# KiCad board frontpanel_dev_adapter.kicad_pcb (continued)
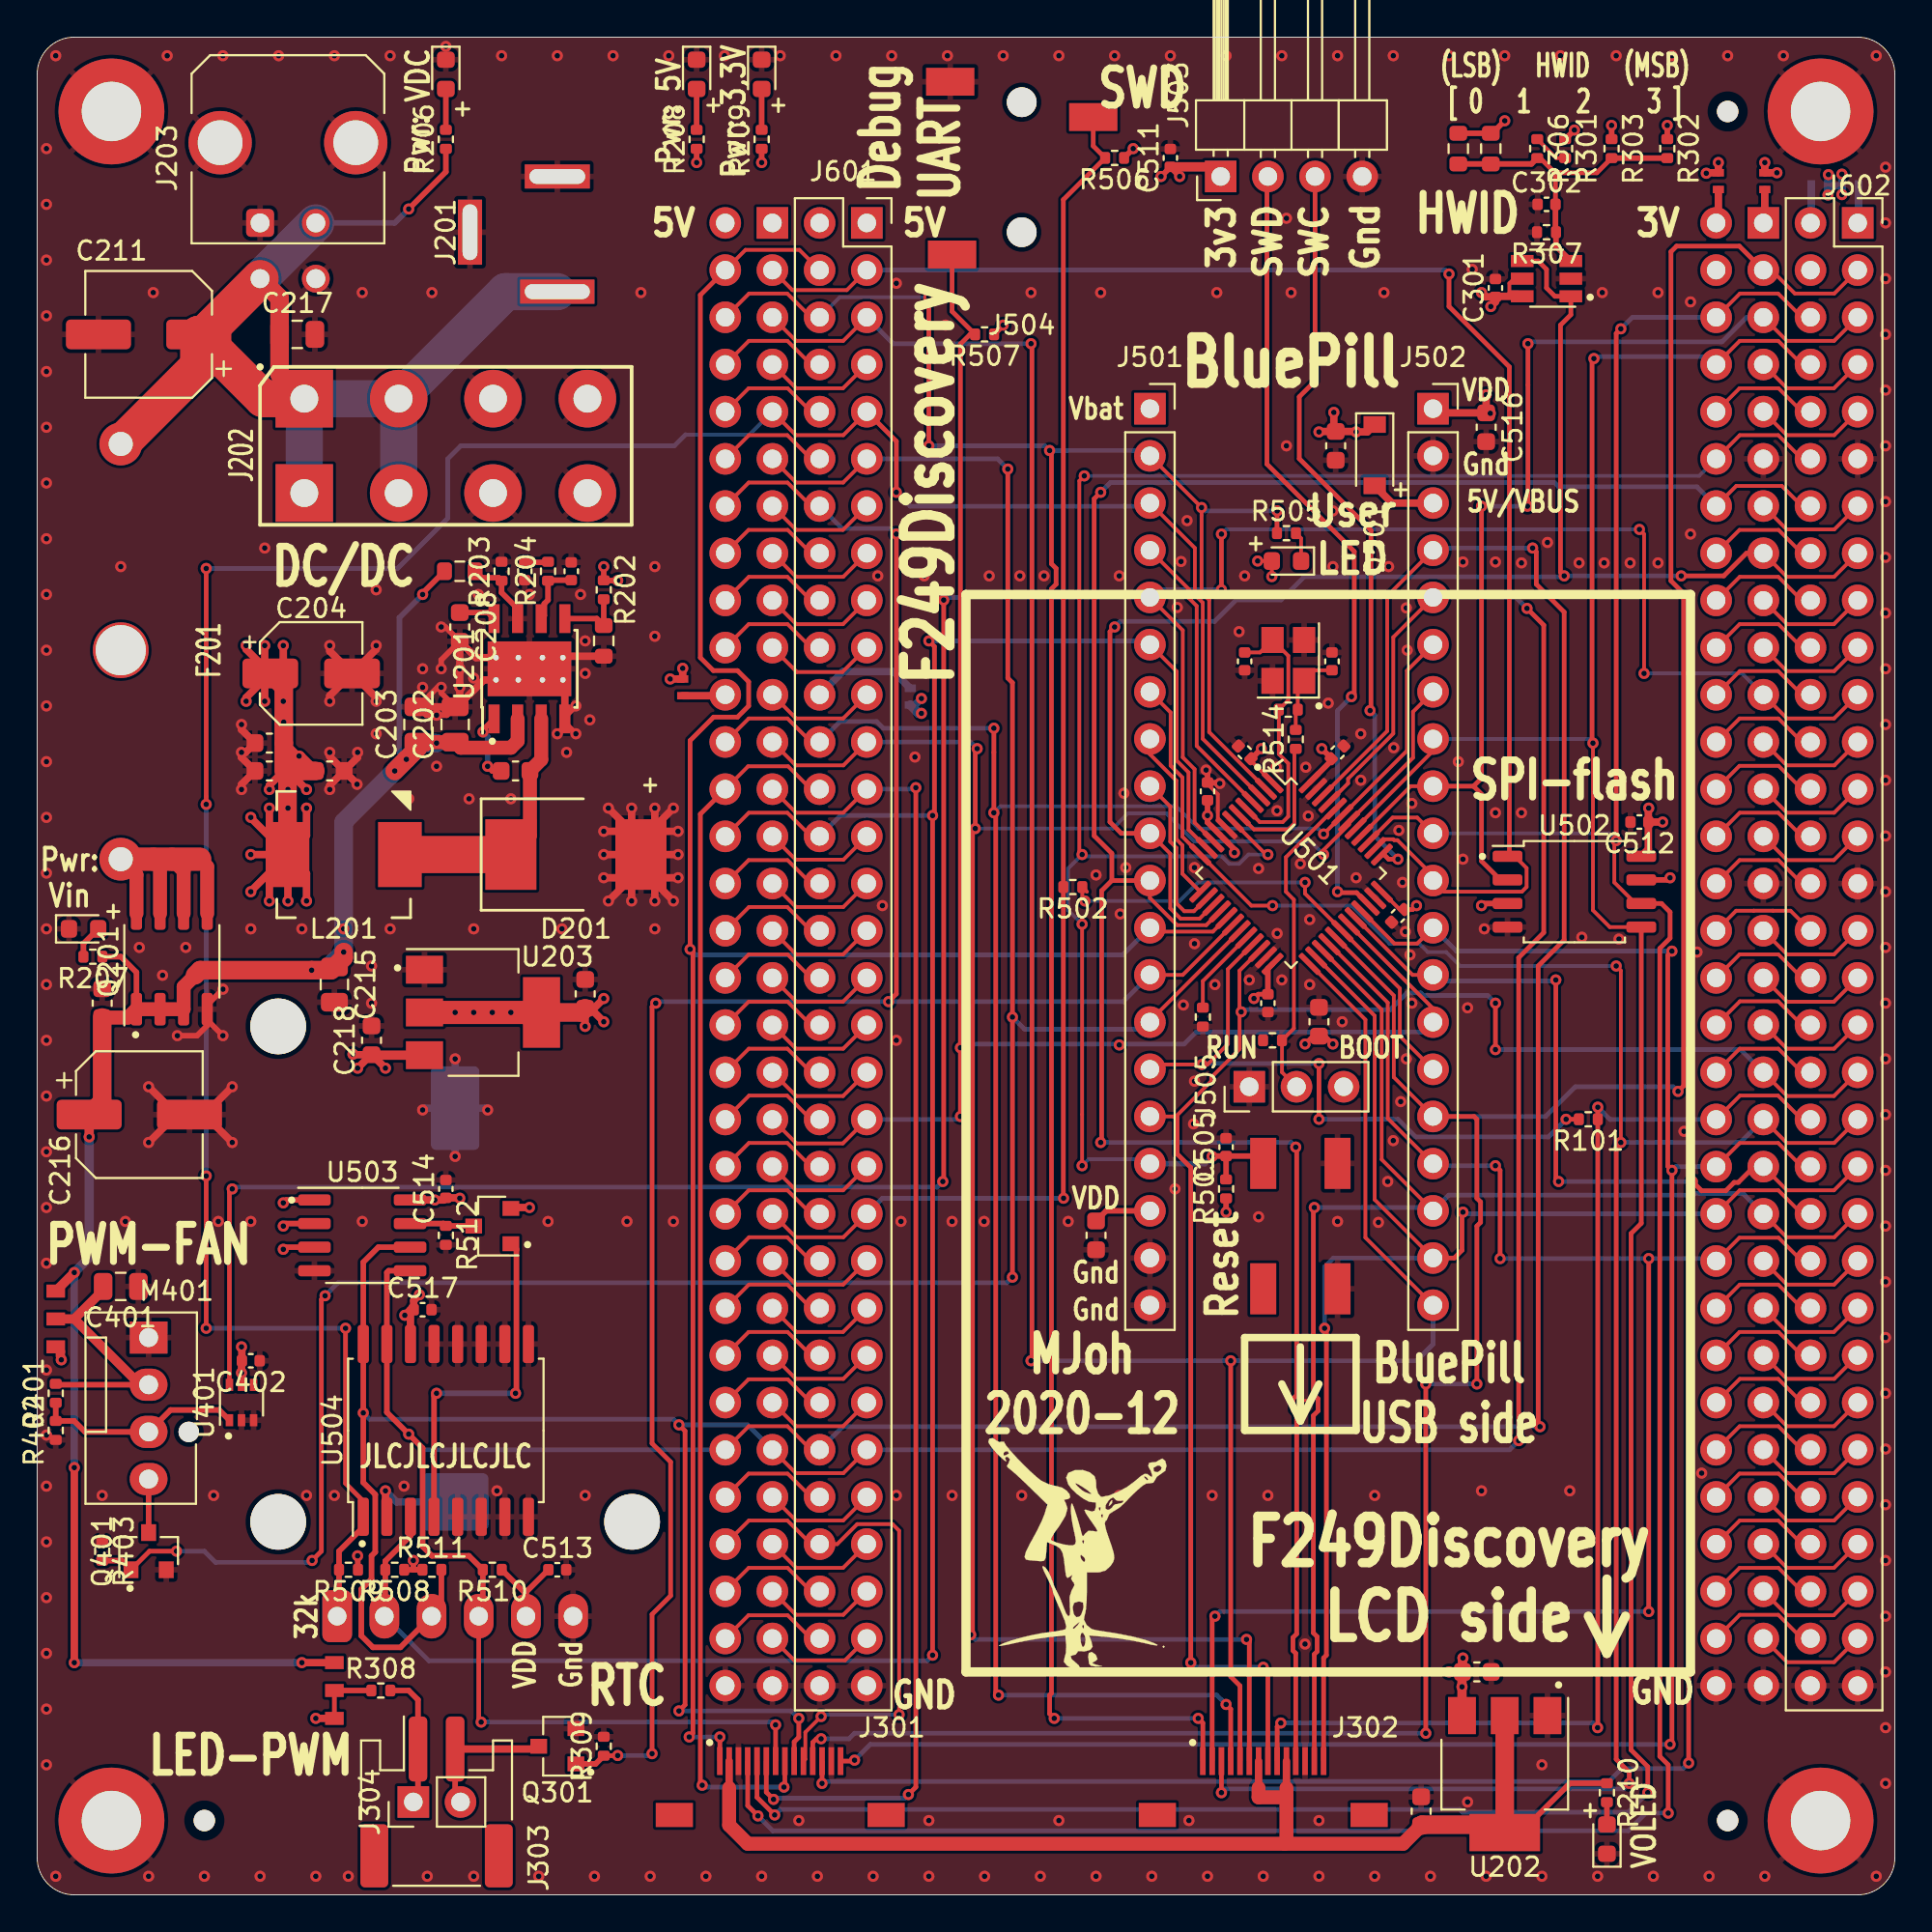
[diagram p0: board, top side]
## Nets
GND: BT501.2 C202.2 C203.2 C204.2 C205.2 C206.2 C207.2 C208.2 C209.2 C210.2 C211.2 C212.2 C213.2 C214.2 C215.2 C216.2 C217.2 C218.2 C219.2 C301.2 C302.1 C401.1 C402.1 C501.2 C502.2 C503.2 C504.2 C505.2 C506.2 C507.2 C508.2 C509.2 C510.2 C511.2 C512.2 C513.2 C514.2 C515.2 C516.2 C517.2 D201.2 D202.1 D203.1 D204.1 D205.1 D206.1 H101.1 H102.1 H103.1 H104.1 J201.2 J201.3 J202.3 J202.4 J203.1 J203.4 J203.MP J301.3 J301.13 J302.12 J501.19 J501.20 J502.2 J503.4 J504.1 J505.1 J601.63 J601.64 J602.11 J602.29 J602.63 J602.64 J603.63 J603.64 J604.11 J604.29 J604.63 J604.64 M401.1 Q201.4 Q301.2 Q401.2 R203.2 R205.2 R307.2 R309.2 R402.1 R403.1 R504.2 R512.2 R513.2 RTC501.6 SW501.3 SW501.4 U201.7 U201.9 U202.1 U203.1 U301.2 U401.2 U401.3 U501.8 U501.23 U501.35 U501.47 U502.4 U503.4 U504.5 U504.6 U504.7 U504.8 U504.9 U504.10 U504.11 U504.12 U504.13 Y501.2 Y501.4
VDD: C219.1 C301.1 C402.2 C501.1 C502.1 C503.1 C504.1 C507.1 C509.1 C511.1 C512.1 C513.1 C514.1 C515.1 C516.1 C517.1 D502.2 J501.1 J501.18 J502.1 J503.1 J505.3 JP601.1 JP602.2 JP603.2 JP604.1 JP605.2 JP606.2 Q501.2 R209.1 R301.1 R302.1 R303.1 R304.1 R305.1 R501.1 R506.1 R507.1 R508.1 R509.1 R510.1 R511.1 RTC501.5 U203.2 U301.5 U301.6 U401.5 U501.1 U501.9 U501.24 U501.36 U501.48 U502.3 U502.7 U502.8 U503.1 U503.2 U503.3 U503.8 U504.14
VDD_OLED: C213.1 J301.2 J302.7 J302.10 R210.1 U202.2
VIN: C202.1 C203.1 C214.1 C215.1 C216.1 JP301.3 JP401.3 Q201.1 Q201.2 Q201.3 R201.1 R207.1 U201.2
32k: J501.3 J601.9 J603.9 R509.2 RTC501.1 U501.3 U504.1
+BATT: BT501.1 U504.2
+VDC: C211.1 C217.1 F201.1 J201.1 J202.1 J202.2 J203.2 J203.3 R206.1
/F429Discovery connection/BOOT0: J601.21 J603.21
/F429Discovery connection/PA0: J602.18 J604.18
/F429Discovery connection/PA1: J602.17 J604.17
/F429Discovery connection/PA2: J602.20 J604.20
/F429Discovery connection/PA3: J602.19 J604.19
/F429Discovery connection/PA4: J602.22 J604.22
/F429Discovery connection/PA6: J602.24 J604.24
/F429Discovery connection/PA7: J602.23 J604.23
/F429Discovery connection/PA9: J601.52 J603.52
/F429Discovery connection/PA10: J601.51 J603.51
/F429Discovery connection/PA11: J601.50 J603.50
/F429Discovery connection/PA12: J601.49 J603.49
/F429Discovery connection/PA13: J601.48 J603.48
/F429Discovery connection/PA14: J601.47 J603.47
/F429Discovery connection/PA15: J601.46 J603.46
/F429Discovery connection/PB0: J602.28 J604.28
/F429Discovery connection/PB1: J602.27 J604.27
/F429Discovery connection/PB2: J602.30 J604.30
/F429Discovery connection/PB8: J601.19 J603.19
/F429Discovery connection/PB9: J601.20 J603.20
/F429Discovery connection/PB10: J602.48 J604.48
/F429Discovery connection/PB11: J602.47 J604.47
/F429Discovery connection/PB12: J602.50 J604.50
/F429Discovery connection/PB13: J602.49 J604.49
/F429Discovery connection/PB14: J602.52 J604.52
/F429Discovery connection/PB15: J602.51 J604.51
/F429Discovery connection/PC1: J602.13 J604.13
/F429Discovery connection/PC2: J602.16 J604.16
/F429Discovery connection/PC4: J602.26 J604.26
/F429Discovery connection/PC5: J602.25 J604.25
/F429Discovery connection/PC6: J601.57 J603.57
/F429Discovery connection/PC7: J601.56 J603.56
/F429Discovery connection/PC8: J601.55 J603.55
/F429Discovery connection/PC10: J601.45 J603.45
/F429Discovery connection/PC11: J601.44 J603.44
/F429Discovery connection/PC13: J601.12 J603.12
/F429Discovery connection/PC15: J601.10 J603.10
/F429Discovery connection/PD0: J601.42 J603.42
/F429Discovery connection/PD1: J601.41 J603.41
/F429Discovery connection/PD2: J601.40 J603.40
/F429Discovery connection/PD4: J601.38 J603.38
/F429Discovery connection/PD5: J601.37 J603.37
/F429Discovery connection/PD6: J601.36 J603.36
/F429Discovery connection/PD7: J601.35 J603.35
/F429Discovery connection/PD8: J602.54 J604.54
/F429Discovery connection/PD9: J602.53 J604.53
/F429Discovery connection/PD10: J602.56 J604.56
/F429Discovery connection/PD11: J602.55 J604.55
/F429Discovery connection/PD12: J602.58 J604.58
/F429Discovery connection/PD13: J602.57 J604.57
/F429Discovery connection/PD14: J602.60 J604.60
/F429Discovery connection/PD15: J602.59 J604.59
/F429Discovery connection/PE0: J601.17 J603.17
/F429Discovery connection/PE1: J601.18 J603.18
/F429Discovery connection/PE2: J601.15 J603.15
/F429Discovery connection/PE3: J601.16 J603.16
/F429Discovery connection/PE4: J601.13 J603.13
/F429Discovery connection/PE7: J302.8 J501.16 J602.37 J604.37 U501.22
/F429Discovery connection/PE8: J302.9 J602.40 J604.40 R101.1
/F429Discovery connection/PE15: J602.45 J604.45
/F429Discovery connection/PF0: J601.7 J603.7
/F429Discovery connection/PF1: J601.8 J603.8
/F429Discovery connection/PF10: J602.7 J604.7
/F429Discovery connection/PF11: J602.32 J604.32
/F429Discovery connection/PF12: J602.31 J604.31
/F429Discovery connection/PF13: J602.34 J604.34
/F429Discovery connection/PF14: J602.33 J604.33
/F429Discovery connection/PF15: J602.36 J604.36
/F429Discovery connection/PG0: J602.35 J604.35
/F429Discovery connection/PG1: J602.38 J604.38
/F429Discovery connection/PG2: J602.62 J604.62
/F429Discovery connection/PG3: J602.61 J604.61
/F429Discovery connection/PG4: J601.62 J603.62
/F429Discovery connection/PG5: J601.61 J603.61
/F429Discovery connection/PG6: J601.60 J603.60
/F429Discovery connection/PG7: J601.59 J603.59
/F429Discovery connection/PG9: J601.33 J603.33
/F429Discovery connection/PG10: J601.34 J603.34
/F429Discovery connection/PG11: J601.31 J603.31
/F429Discovery connection/PG12: J601.32 J603.32
/F429Discovery connection/PG13: J601.29 J603.29
/F429Discovery connection/PG14: J601.30 J603.30
/F429Discovery connection/PG15: J601.27 J603.27
/F429Discovery connection/PH0: J602.10 J604.10
/F429Discovery connection/PH1: J602.9 J604.9
/MCU / Bluepill/PA3: J501.8 U501.13
/MCU / Bluepill/PA4: J501.9 U501.14
/MCU / Bluepill/PA9: J502.15 R502.1 U501.30
/MCU / Bluepill/PB10: J501.15 R101.2 U501.21
/MCU / Bluepill/PC15: J501.4 U501.4
/MCU / Bluepill/PwrGood: Q501.1 U504.4
/MCU / Bluepill/SWCLK: J503.3 U501.37
/MCU / Bluepill/SWDIO: J503.2 U501.34
/MCU / Bluepill/~{WEn}: Q501.3 R512.1 U503.7
AUX_BOOT0: J302.1 J501.2 J601.6 J603.6 R505.1 U501.2
DBGUART_RX: J502.14 J504.2 J601.39 J603.39 R507.2 U501.31
DBGUART_TX: J504.3 J601.43 J603.43 R502.2 R506.2
DISP_D~{Cn}: J301.1 J501.12 J601.4 J603.4 U501.17
DISP_FLASH_MISO: J502.9 J602.5 J604.5 U501.40 U502.2
DISP_FLASH_MOSI: J301.5 J502.8 J602.8 J604.8 U501.41 U502.5
DISP_FLASH_SCK: J301.4 J502.10 J602.6 J604.6 U501.39 U502.6
FAN1_PWM: J501.14 J601.11 J603.11 Q401.1 R403.2 U501.19
FAN1_RPM: J501.5 J602.21 J604.21 U401.6 U501.10
FP_ENC2_A: J301.6 J601.25 J603.25
FP_ENC2_B: J301.8 J601.26 J603.26
FP_ENC_A: J302.6 J502.7 J601.23 J603.23 U501.42
FP_ENC_B: J302.4 J502.6 J601.24 J603.24 U501.43
HWID_FP: J302.11 J501.11 J602.14 J604.14 U501.16
HWID_MB: J501.10 J602.15 J604.15 U301.1 U301.4 U501.15
I2C1_SCL: J301.9 J502.5 J601.53 J603.53 R511.2 RTC501.3 U501.45 U503.6 U504.16
I2C1_SDA: J301.7 J502.4 J601.54 J603.54 R510.2 RTC501.4 U501.46 U503.5 U504.15
PWRBTN_LED_PWM: J501.13 J601.14 J603.14 Q301.1 R309.1 U501.18
VMAIN: C204.1 C205.1 C206.1 C207.1 C212.1 C218.1 C510.1 D501.1 J601.1 J601.2 J603.1 J603.2 JP301.1 JP301.2 JP401.1 L201.2 R202.1 R208.1 R308.1 U202.3 U203.3
~{AUX_INTn}: J302.3 J501.7 J602.39 J604.39 U501.12
~{DISP_CSn}: J301.11 J502.16 J602.3 J604.3 U501.29
~{FLASH_CSn}: J502.11 J601.3 J603.3 U501.38 U502.1
~{FP_BTN_1An}: J301.14 J502.12 J602.42 J604.42 U501.33
~{FP_BTN_1Bn}: J301.12 J502.13 J602.41 J604.41 U501.32
~{FP_BTN_2An}: J302.14 J502.19 J602.44 J604.44 U501.26
~{FP_BTN_2Bn}: J302.13 J502.18 J602.43 J604.43 U501.27
~{FP_ENC2_SWn}: J301.10 J601.58 J603.58
~{FP_ENC_SWn}: J302.2 J502.17 J602.46 J604.46 U501.28
~{RSTn}: C505.1 J501.17 J602.12 J604.12 R501.2 SW501.2 U501.7
~{RTC_INTn}_SQW: J501.6 J601.28 J603.28 R508.2 RTC501.2 U501.11 U504.3
~{SYS_RSTn}: J302.5 J502.20 J601.5 J603.5 U501.25
Net-(C201-Pad1): C201.1 D201.1 L201.1 U201.8
Net-(C201-Pad2): C201.2 U201.1
Net-(C208-Pad1): C208.1 U201.4
Net-(C209-Pad1): C209.1 R204.1 U201.6
Net-(C210-Pad1): C210.1 R204.2
Net-(C302-Pad2): C302.2 R302.2 R303.2 R304.2 R305.2 R306.2 R307.1 U301.3
Net-(C401-Pad2): C401.2 JP401.2 M401.2 R401.2
Net-(C506-Pad1): C506.1 R503.1 U501.5 Y501.3
Net-(C508-Pad1): C508.1 R503.2 R514.2 Y501.1
Net-(D202-Pad2): D202.2 R206.2
Net-(D203-Pad2): D203.2 R207.2
Net-(D204-Pad2): D204.2 R208.2
Net-(D205-Pad2): D205.2 R209.2
Net-(D206-Pad2): D206.2 R210.2
Net-(D501-Pad2): D501.2 J502.3
Net-(D502-Pad1): D502.1 R505.2
Net-(F201-Pad2): F201.2 Q201.5 Q201.6 Q201.7 Q201.8
Net-(J303-Pad1): J303.1 J304.1 R308.2
Net-(J303-Pad2): J303.2 J304.2 Q301.3
Net-(J505-Pad2): J505.2 R513.1 U501.44
Net-(J601-Pad22): J601.22 JP603.1
Net-(J602-Pad1): J602.1 JP601.2
Net-(J602-Pad2): J602.2 JP602.1
Net-(J603-Pad22): J603.22 JP606.1
Net-(J604-Pad1): J604.1 JP604.2
Net-(J604-Pad2): J604.2 JP605.1
Net-(M401-Pad3): M401.3 R401.1 R402.2 U401.1
Net-(M401-Pad4): M401.4 Q401.3
Net-(R201-Pad2): R201.2 R203.1 U201.3
Net-(R202-Pad2): R202.2 R205.1 U201.5
Net-(R301-Pad2): R301.2 R306.1
Net-(R504-Pad1): R504.1 U501.20
Net-(R514-Pad1): R514.1 U501.6

Pads without a net: J301 15 16; J302 15 16; J303 MP; J602 4; J604 4; SW501 1; U401 4

## Via types
v1: diameter 0.6, hole 0.3, Top to Bottom, 586 vias

## Routing (per net, layer and track width the routed paths; a pad name or vN(x,y) marks a point on that pad's centre or on a via; arc(x,y) is an arc through that point)
GND: length 110.4
  Top w0.2: C502.2 63,59.8 63.56,59.24 63.56,57.88 U501.8
  Top w0.3: v1(10,46.25) 9.16,47.09 Q201.4 ; v1(10,48.75) 9.16,47.91 Q201.4 ; 63.02,59.86 63.66,59.86 ; 28.41,63.3 28.41,63.09 v1(29,62.5) ; 28.41,63.3 28.41,62.91 v1(28,62.5) ; 28.41,63.3 28.41,63.41 v1(29,64) ; Q201.4 9.16,46.8 8.6,46.25 v1(7.55,46.25) ; v1(21.75,66) 21.75,66.47 C208.2 21.97,68.25 v1(21.75,68.25) ; 62.85,60.5 63,60.35 C502.2 ; v1(21.5,63.5) 20.95,63.5 C203.2 21.55,65 v1(21.75,65) 21.75,64.7 C202.2 22.05,63.5 v1(21.5,63.5)
  Top w0.4: U201.9 28.38,66.67 R205.2 ; 7.5,42 C216.2 9,42 ; 7.5,42 v1(6,40.5) ; 7.5,42 v1(6,43.5) ; 28.41,63.3 28.41,65.3 U201.9 ; v1(11,59.5) 11,59.78 C207.2 11,61.22 v1(11,61.5) 11.23,61.5 C206.2 11,62.72 v1(11,63) ; v1(18.25,67.25) 18.25,67.05 C204.2 ; C208.2 23.62,66.6 U201.9 ; C208.2 22.72,67.5 ; C208.2 22.75,64.2 C202.2 ; 9,42 v1(10.5,43.5) ; 9,42 v1(10.5,40.5) ; D201.2 31.25,57.25 v1(30.5,57.25) ; D201.2 v1(30.5,56) ; D201.2 33.25,55.25 v1(33.25,53.5) ; D201.2 v1(34.5,56) ; D201.2 32.5,56.75 ; D201.2 33.75,54.75 v1(34.5,54.75) ; D201.2 33.25,56.75 v1(33.25,58.5) ; D201.2 32.5,55.25 ; D201.2 33.75,57.25 v1(34.5,57.25) ; D201.2 32,55.5 v1(32,53.5) ; D201.2 32,56.5 v1(32,58.5) ; D201.2 31.25,54.75 v1(30.5,54.75) ; 32.5,55.25 v1(34.25,53.5) ; 32.5,55.25 v1(30.75,53.5) ; 32.5,56.75 v1(34.25,58.5) ; 32.5,56.75 v1(30.75,58.5) ; v1(17.25,61.5) 17.25,61.22 C205.2 ; v1(15.75,64.25) 15.75,64.55 C204.2 ; C205.2 17.22,59.81 v1(17.22,59.78) ; C205.2 15.75,61.28 v1(15.75,61.5) ; C205.2 15.75,59.72 v1(15.75,59.5) ; C204.2 15.75,66.95 v1(15.75,67.25) ; C204.2 18.25,64.45 v1(18.25,64.25) ; C202.2 22.6,63.95 24.05,65.4 U201.9 ; C202.2 C203.2 20.78,64.22
  Bottom w0.4: BT501.2 24.15,42.35 v1(24.25,42.25) ; BT501.2 20.85,42.35 v1(20.75,42.25) ; BT501.2 v1(22.5,45) ; BT501.2 v1(22.5,39.75)
  vias: v1(0.5,94) v1(0.5,91) v1(0.5,88) v1(0.5,85) v1(0.5,82) v1(0.5,79) v1(0.5,76) v1(0.5,73) v1(0.5,70) v1(0.5,67) v1(0.5,64) v1(0.5,61) v1(0.5,58) v1(0.5,55) v1(0.5,52) v1(0.5,49) v1(0.5,46) v1(0.5,43) v1(0.5,40) v1(0.5,37) v1(0.5,34) v1(0.5,28.25) v1(0.5,24.75) v1(0.5,22) v1(0.5,19) v1(0.5,16) v1(0.5,13) v1(0.5,10) v1(0.5,7) v1(1,99) v1(1,1) v1(3.5,21.5) v1(4.5,71.5) v1(4.75,36.25) v1(5.5,51) v1(6,1) v1(6.25,86.25) v1(6.75,49.5) v1(7,99) v1(8,51) v1(9,1) v1(9.5,21.5) v1(9.75,36.25) v1(10,99) v1(11.5,52) v1(11.5,36.25) v1(12,1) v1(12.25,72.5) v1(13,99) v1(14.25,52) v1(14.5,21.5) v1(15,1) v1(16,99) v1(16,21.5) v1(16.75,1) v1(17.5,86.25) v1(17.5,36.25) v1(18,50) v1(18,48) v1(18.25,70.25) v1(18.25,62.5) v1(19,99) v1(19,52) v1(19.75,22) v1(20,59) v1(20.75,66) v1(20.75,65) v1(21,1) v1(21.25,86.25) v1(21.5,60.75) v1(22,99.5) v1(22.75,66) v1(22.75,65) v1(23.25,59) v1(23.5,65.5) v1(23.5,52) v1(23.5,1) v1(23.75,70) v1(24.75,21.75) v1(25,99) v1(25.5,59) v1(26.5,70) v1(27,1) v1(27.5,36.25) v1(28,99) v1(28.25,52) v1(28.5,61.5) v1(29.25,70) v1(29.5,67.5) v1(29.5,65.75) v1(29.5,21.5) v1(29.75,63.25) v1(30,1) v1(31,99) v1(31.75,36.25) v1(32.5,86.25) v1(33,1) v1(33.25,71.5) v1(33.25,67.75) v1(33.25,52) v1(34,99) v1(34.25,36.25) v1(36,1) v1(37,99) v1(39,1) v1(40,99) v1(41,4) v1(42,1) v1(43,99) v1(45,1) v1(45.25,71) v1(45.5,53.25) v1(46,99) v1(46.25,86.75) v1(46.25,46) v1(46.25,21.5) v1(46.5,36.25) v1(47.25,61.25) v1(47.75,71) v1(48,4) v1(48,1) v1(48.9,84.5) v1(49,99) v1(49.25,36.25) v1(49.25,21.5) v1(50.97,36.25) v1(51,1) v1(51.25,71) v1(52,99) v1(52.9,71) v1(53,21.5) v1(53.5,86.25) v1(54,1) v1(54.2,71) v1(55,99) v1(55,4) v1(55.5,36.25) v1(57,54.9) v1(57,1) v1(57.25,86.25) v1(58,99) v1(58.25,71) v1(58.25,21.5) v1(58.3,52.8) v1(58.5,59.3) v1(58.6,55.3) v1(60,1) v1(61,99) v1(61.25,38) v1(61.38,69.3) v1(61.58,71.78) v1(61.7,47.9) v1(61.9,73.97) v1(62,4) v1(62.25,41.5) v1(62.3,55.3) v1(62.3,51.2) v1(62.3,43.8) v1(62.92,60.55) v1(63,1) v1(63.25,21.5) v1(63.4,49) v1(63.5,86.25) v1(63.66,59.83) v1(64,99) v1(64.7,68) v1(65,71) v1(65.25,49.25) v1(65.75,55.25) v1(65.75,36.5) v1(66,1) v1(66.25,21.5) v1(66.7,60.7) v1(66.74,58.36) v1(66.75,51.75) v1(67,99) v1(67,49.25) v1(67.25,90.25) v1(67.25,78) v1(67.5,86.25) v1(68,55.5) v1(68.25,13.5) v1(68.29,60.7) v1(68.3,26.4) v1(68.42,58.08) v1(68.5,52.5) v1(68.5,49) v1(69,4) v1(69,1) v1(69.5,64.15) v1(69.75,74.5) v1(69.75,71.5) v1(70,99) v1(70,36.25) v1(70.25,47) v1(71,54.75) v1(71.25,62.5) v1(71.25,60) v1(72,21.5) v1(72,1) v1(72.2,36.2) v1(72.5,86.25) v1(72.7,38.4) v1(72.75,71.5) v1(73,99) v1(73.03,61.75) v1(73,40.6) v1(73.3,57.3) v1(73.4,42.7) v1(73.5,54.5) v1(73.7,69.28) v1(73.65,51.85) v1(73.7,45) v1(73.75,67) v1(73.9,50.6) v1(74,58.75) v1(74,48) v1(75,1) v1(76,99) v1(76.5,61) v1(76.75,71.75) v1(76.75,55.75) v1(77,47.75) v1(77,5) v1(77.25,87.5) v1(77.75,21.75) v1(77.9,52) v1(78,1) v1(78.5,71.75) v1(78.5,58.25) v1(79,99) v1(79.9,71.7) v1(79.9,58.25) v1(81,7) v1(81,1) v1(81.3,72.8) v1(82,99) v1(82.5,21.75) v1(83,71.7) v1(83.15,51.55) v1(84,1) v1(84.25,86.25) v1(84.35,71.7) v1(85,99) v1(85.15,51.45) v1(85.75,71.7) v1(87,1) v1(87.25,86.25) v1(87.25,71.7) v1(88,99) v1(88.65,41.1) v1(89,85.75) v1(89,73.25) v1(89.35,50.75) v1(89.6,22.7) v1(90,1) v1(91,99) v1(93,1) v1(94,99) v1(99,99) v1(99,1) v1(99.5,93) v1(99.5,90) v1(99.5,87) v1(99.5,84) v1(99.5,81) v1(99.5,78) v1(99.5,75) v1(99.5,72) v1(99.5,69) v1(99.5,66) v1(99.5,63) v1(99.5,60) v1(99.5,57) v1(99.5,54) v1(99.5,51) v1(99.5,48) v1(99.5,45) v1(99.5,42) v1(99.5,39) v1(99.5,36) v1(99.5,33) v1(99.5,30) v1(99.5,27) v1(99.5,24) v1(99.5,21) v1(99.5,18) v1(99.5,15) v1(99.5,12) v1(99.5,9) v1(99.5,6)
VDD: length 91.6
  Top w0.2: U501.1 65.34,61.05 C501.1 ; v1(66.46,70.96) D502.2 v1(65.7,71.8) ; U301.5 79.5,87 79.25,86.75 79.25,86.25 79.74,86.25 U301.6 ; 73.59,53.09 73.3,53.09 U501.36
  Top w0.25: v1(69.75,45.8) 69.33,46.22 C507.1 68.67,46.22 v1(68.25,45.8) ; v1(65.5,48.25) 65.73,48.48 C503.1 ; v1(74.25,53.25) 74.04,53.04 C504.1
  Top w0.3: 61,93 v1(61.5,92.5) ; 61,93 C511.1 ; 61,93 v1(60.5,92.5) ; v1(13.25,36) 13.38,36.14 U503.2 ; v1(13.25,34.75) 13.37,34.86 U503.3 ; v1(13.25,37.25) 13.41,37.41 U503.1 ; v1(17.25,18.25) 17.27,17.52 R509.1 ; v1(52,84.5) 51.51,84.01 R507.1 ; v1(84.75,95.25) 84.76,94.51 R303.1 ; U501.24 66.25,49.86 C503.1 ; C513.1 26.31,16.29 RTC501.5 26.31,16.2 R510.1 ; v1(79,95.5) 78.32,94.83 R304.1 R305.1 ; 63,58 v1(63,58.1) ; 63,58 C502.1 ; 63,58 63,57.73 U501.9 64.45,56.28 v1(64.45,56.1) ; v1(87.9,54.75) 87.78,54.64 U502.7 ; R501.1 v1(64,36.75) ; v1(69.15,61.7) 69.66,61.19 C515.1 69.66,61.05 U501.48 ; v1(77.75,53.25) 77.86,53.36 U502.3 ; R506.1 58.51,93.51 v1(59,94) ; C501.1 65.36,61.16 v1(65.9,61.7) ; R209.1 v1(39,93.25) ; v1(82.75,95) 82.26,94.51 R301.1 ; R508.1 R511.1 20.25,17.5 v1(20.25,18) ; C509.1 57.55,36.82 J501.18 ; R302.1 v1(87.75,95.25)
  Top w0.4: U301.6 78.53,86.05 C301.1 ; v1(90.5,93.25) JP605.2 89.88,92.7 v1(89.85,92.67) ; v1(93.65,92.7) JP604.1 v1(93,93.25) ; v1(22.75,37.5) 22.73,37.52 C514.1 21.89,37.41 v1(21.41,37.41) U503.8 ; C517.1 20.09,31.5 v1(19.79,31.2) ; C517.1 20.09,31.33 U504.14 ; C517.1 20.27,31.99 v1(20.58,32.3) ; C301.1 77.98,86.02 v1(77.75,86.25) ; C301.1 78.5,85.75 v1(78.25,85.5) ; v1(34.08,65.45) JP606.2 v1(34.75,66.03) ; v1(30.5,47) 29.78,47.72 C219.1 ; U502.8 86.73,56.28 C512.1 ; C219.1 29.97,47.72 v1(30.5,48.25) ; C219.1 v1(29.5,46.75) ; v1(86.75,58.5) 86.73,58.48 C512.1 ; v1(11,29.5) 11.02,29.48 C402.2 11,28.73 v1(11,28.1) U401.5 ; J502.1 75.36,79.78 C516.1 ; C516.1 v1(78,80.75) ; C516.1 78.2,79.78 v1(78.22,79.75) ; v1(26.5,37) 25.5,37 Q501.2 ; C512.1 v1(87.5,57.75)
  Top w0.5: J503.1 63.19,93.02 C511.1
  Top w1: U203.2 29.28,47.5 C219.1
  Top w1.25: U203.2 U203.2
  Bottom w0.4: JP603.2 47.25,64.05 v1(47.6,64.4) ; JP601.1 JP602.2 ; JP601.1 v1(97.15,92.62) ; JP601.1 v1(97.15,91.53) ; JP602.2 96.4,92.58 v1(96.43,92.6) ; JP602.2 v1(96.4,91.5)
  Bottom w0.5: v1(47.6,63.6) 47.45,63.6 JP603.2
  vias: v1(22.5,47.5) v1(23.5,47.5) v1(24.5,47.5) v1(25.5,47.5)
VDD_OLED: length 67.1
  Top w0.3: U202.2 79.85,3.35 82.51,6.01 R210.1
  Top w0.4: J302.10 67.25,5.75 ; J301.2 37.25,5.75 ; J302.7 65.75,5.75
  Top w0.75: 67.15,2.75 73.53,2.75 C213.1 ; 67.15,2.75 67.25,2.85 67.25,5.25 ; 67.15,2.75 38.25,2.75 37.25,3.75 37.25,5.75 ; 65.75,5.75 65.75,5.25 67.25,5.25 ; 67.25,5.25 67.25,5.75
  Top w1: U202.2 U202.2 78.57,3.78 74.55,3.78 C213.1
VIN: length 106
  Top w0.3: Q201.1 5.34,49.66 4.51,50.5 R207.1 ; v1(20.75,70) 20.75,70.08 R201.1
  Top w0.4: JP301.3 v1(14.25,12.5) ; v1(2,12.5) v1(2,23)
  Top w0.5: C216.1 v1(2.8,40.8) ; JP401.3 v1(2,33.5)
  Top w0.75: U201.2 25.86,62.11 25.5,61.75 22.8,61.75 C202.1 C203.1 ; 8.5,49.5 7.88,48.89 Q201.3 Q201.2 Q201.1 4.9,47.22 C214.1
  Top w1: 20.5,61.75 v1(19.88,61.12) v1(19.25,60.5) ; C214.1 3.5,42.7 C216.1 ; 8.5,49.5 8.77,49.78 v1(14.78,49.78) 15.83,49.78 C215.1 16.5,50.45 v1(16.5,50.75)
  Bottom w0.3: v1(19.88,61.12) 19.5,61.5 19.5,68.75 v1(20.75,70)
  Bottom w0.4: v1(2,12.5) v1(14.25,12.5) ; v1(2,33.5) v1(2,23)
  Bottom w0.5: v1(2,33.5) 2.8,34.3 v1(2.8,40.8)
  Bottom w1: v1(21.5,62) 20.75,62 v1(19.88,61.12) 16.5,57.75 v1(16.5,52) v1(16.5,50.75) 15.53,49.78 v1(14.78,49.78)
32k: length 144.1
  Top w0.2: J601.9 43.39,78.58 40.84,78.58 J603.9 ; U501.3 62.75,62.23 62.75,69.55 62.32,69.98 62.32,72.5 J501.3
  Top w0.25: v1(9.1,71.4) 9.1,59.12 v1(9.1,58.7) ; v1(46.25,75.5) 46.25,78.25 J601.9 ; v1(9.1,38.7) v1(9.1,30.5) ; U504.1 17.56,21.19 16.6,22.15 v1(16.6,30.5)
  Top w0.3: U504.1 17.56,19.81 16.25,18.5 R509.2 16.25,15.1 RTC501.1
  Bottom w0.2: 34.9,78.6 38.34,78.6 J603.9
  Bottom w0.25: v1(9.1,30.5) v1(16.6,30.5) ; J501.3 59.73,74.75 47,74.75 v1(46.25,75.5) ; v1(9.1,71.4) 19.4,71.4 22.1,74.1 22.1,77.3 22.8,78 34.3,78 34.9,78.6 ; v1(9.1,58.7) v1(9.1,38.7)
+BATT: length 5.4
  Top w0.4: U504.2 18.75,20.43 v1(18.75,21.75)
  Bottom w0.4: v1(18.75,21.75) 19.35,21.15 BT501.1
+VDC: length 66.5
  Top w0.3: R206.1 22,92.75 v1(20,90.75)
  Top w1: J203.3 13.05,85.95 13.05,81.87 J202.1
  Top w2: C211.1 8.7,82.3 F201.1 ; C211.1 12.16,80.54 J202.1 ; C211.1 9,84 J203.3
  Bottom w0.3: J203.2 19.25,90 v1(20,90.75)
  Bottom w2: J202.1 J202.1 J202.2 ; J203.2 J203.3 ; J202.2 J202.2 ; J202.2 25.22,86.3 J201.1
/F429Discovery connection/BOOT0: length 6.1
  Top w0.2: J601.21 43.39,63.33 40.86,63.33 J603.21
/F429Discovery connection/PA0: length 6.1
  Top w0.2: J604.18 91.65,70.95 93.73,70.95 95,69.68 J602.18
/F429Discovery connection/PA1: length 6.1
  Top w0.2: J602.17 96.72,68.4 94.2,68.4 J604.17
/F429Discovery connection/PA2: length 6.1
  Top w0.2: J602.20 95,67.14 93.74,68.4 91.64,68.4 J604.20
/F429Discovery connection/PA3: length 6.1
  Top w0.2: J604.19 94.19,65.88 96.74,65.88 J602.19
/F429Discovery connection/PA4: length 6.1
  Top w0.2: J604.22 91.66,65.88 93.72,65.88 95,64.6 J602.22
/F429Discovery connection/PA6: length 6.1
  Top w0.2: J602.24 95,62.06 93.73,63.33 91.65,63.33 J604.24
/F429Discovery connection/PA7: length 6.1
  Top w0.2: J602.23 96.74,60.8 94.18,60.8 J604.23
/F429Discovery connection/PA9: length 6.1
  Top w0.2: J603.52 38.29,27.75 40.41,27.75 41.66,26.5 J601.52
/F429Discovery connection/PA10: length 6.1
  Top w0.2: J603.51 40.86,25.22 43.39,25.22 J601.51
/F429Discovery connection/PA11: length 6.1
  Top w0.2: J603.50 38.3,30.3 40.4,30.3 41.66,29.04 J601.50
/F429Discovery connection/PA12: length 6.1
  Top w0.2: J603.49 40.84,27.78 43.39,27.78 J601.49
/F429Discovery connection/PA13: length 6.1
  Top w0.2: J603.48 38.31,32.85 40.39,32.85 41.66,31.58 J601.48
/F429Discovery connection/PA14: length 6.1
  Top w0.2: J603.47 40.86,30.3 43.38,30.3 J601.47
/F429Discovery connection/PA15: length 6.1
  Top w0.2: J601.46 41.66,34.12 40.38,35.4 38.32,35.4 J603.46
/F429Discovery connection/PB0: length 6.1
  Top w0.2: J602.28 95,56.98 93.73,58.25 91.65,58.25 J604.28
/F429Discovery connection/PB1: length 6.1
  Top w0.2: J604.27 94.2,55.7 96.72,55.7 J602.27
/F429Discovery connection/PB2: length 6.1
  Top w0.2: J604.30 91.64,55.7 93.74,55.7 95,54.44 J602.30
/F429Discovery connection/PB8: length 6.2
  Top w0.2: J601.19 43.34,65.83 40.89,65.83 J603.19
/F429Discovery connection/PB9: length 6.1
  Top w0.2: J601.20 41.66,67.14 40.4,68.4 38.3,68.4 J603.20
/F429Discovery connection/PB10: length 6.1
  Top w0.2: J602.48 95,31.58 93.73,32.85 91.65,32.85 J604.48
/F429Discovery connection/PB11: length 6.1
  Top w0.2: J604.47 94.2,30.3 96.72,30.3 J602.47
/F429Discovery connection/PB12: length 6.1
  Top w0.2: J604.50 91.64,30.3 93.74,30.3 95,29.04 J602.50
/F429Discovery connection/PB13: length 6.1
  Top w0.2: J604.49 94.19,27.78 96.74,27.78 J602.49
/F429Discovery connection/PB14: length 6.1
  Top w0.2: J602.52 95,26.5 93.72,27.78 91.66,27.78 J604.52
/F429Discovery connection/PB15: length 6.1
  Top w0.2: J604.51 94.19,25.22 96.72,25.22 J602.51
/F429Discovery connection/PC1: length 6.1
  Top w0.2: J602.13 96.74,73.5 94.18,73.5 J604.13
/F429Discovery connection/PC2: length 6.1
  Top w0.2: J604.16 91.63,73.47 93.74,73.47 95,72.22 J602.16
/F429Discovery connection/PC4: length 6.1
  Top w0.2: J602.26 95,59.52 93.74,60.78 91.63,60.78 J604.26
/F429Discovery connection/PC5: length 6.1
  Top w0.2: J604.25 94.19,58.25 96.73,58.25 J602.25
/F429Discovery connection/PC6: length 6.1
  Top w0.2: J601.57 43.38,17.6 40.86,17.6 J603.57
/F429Discovery connection/PC7: length 6.1
  Top w0.2: J603.56 38.3,22.67 40.4,22.67 41.66,21.42 J601.56
/F429Discovery connection/PC8: length 6.1
  Top w0.2: J603.55 40.85,20.15 43.39,20.15 J601.55
/F429Discovery connection/PC10: length 6.1
  Top w0.2: J603.45 40.85,32.85 43.39,32.85 J601.45
/F429Discovery connection/PC11: length 6.1
  Top w0.2: J601.44 41.66,36.66 40.39,37.92 38.31,37.92 J603.44
/F429Discovery connection/PC13: length 6.1
  Top w0.2: J601.12 41.66,77.3 40.38,78.58 38.31,78.58 J603.12
/F429Discovery connection/PC15: length 6.9
  Top w0.2: 41.39,79.84 J601.10 41.66,79.84 40.4,81.1 38.3,81.1 J603.10
/F429Discovery connection/PD0: length 6.1
  Top w0.2: J601.42 41.66,39.2 40.38,40.47 38.31,40.47 J603.42
/F429Discovery connection/PD1: length 6.1
  Top w0.2: J601.41 43.39,37.92 40.86,37.92 J603.41
/F429Discovery connection/PD2: length 6.1
  Top w0.2: J603.40 38.33,43.03 40.37,43.03 41.66,41.74 J601.40
/F429Discovery connection/PD4: length 6.1
  Top w0.2: J603.38 38.31,45.55 40.39,45.55 41.66,44.28 J601.38
/F429Discovery connection/PD5: length 6.1
  Top w0.2: J601.37 43.38,43 40.86,43 J603.37
/F429Discovery connection/PD6: length 6.1
  Top w0.2: J601.36 41.66,46.82 40.4,48.08 38.3,48.08 J603.36
/F429Discovery connection/PD7: length 6.1
  Top w0.2: J603.35 40.85,45.55 43.39,45.55 J601.35
/F429Discovery connection/PD8: length 6.1
  Top w0.2: J604.54 91.65,25.22 93.73,25.22 95,23.96 J602.54
/F429Discovery connection/PD9: length 6.1
  Top w0.2: J604.53 94.18,22.7 96.74,22.7 J602.53
/F429Discovery connection/PD10: length 6.1
  Top w0.2: J602.56 95,21.42 93.74,22.67 91.63,22.67 J604.56
/F429Discovery connection/PD11: length 6.1
  Top w0.2: J604.55 94.19,20.15 96.73,20.15 J602.55
/F429Discovery connection/PD12: length 6.1
  Top w0.2: J604.58 91.65,20.15 93.73,20.15 95,18.88 J602.58
/F429Discovery connection/PD13: length 6.1
  Top w0.2: J604.57 94.2,17.6 96.72,17.6 J602.57
/F429Discovery connection/PD14: length 6.1
  Top w0.2: J602.60 95,16.34 93.74,17.6 91.64,17.6 J604.60
/F429Discovery connection/PD15: length 6.1
  Top w0.2: J602.59 96.71,15.05 94.21,15.05 J604.59
/F429Discovery connection/PE0: length 6.1
  Top w0.2: J601.17 43.38,68.4 40.86,68.4 J603.17
/F429Discovery connection/PE1: length 6.1
  Top w0.2: J603.18 38.31,70.95 40.39,70.95 41.66,69.68 J601.18
/F429Discovery connection/PE2: length 6.1
  Top w0.2: J601.15 43.39,70.95 40.85,70.95 J603.15
/F429Discovery connection/PE3: length 6.1
  Top w0.2: J601.16 41.66,72.22 40.4,73.47 38.3,73.47 J603.16
/F429Discovery connection/PE4: length 6.1
  Top w0.2: J601.13 43.38,73.47 40.86,73.47 J603.13
/F429Discovery connection/PE7: length 89.1
  Top w0.2: U501.22 64.72,49.75 64.72,47.62 v1(64.81,47.53) 64.73,47.45 64.73,45.53 63.2,44 63.2,43.8 61.36,41.96 61.36,41.9 J501.16 ; J602.37 96.72,43 94.2,43 J604.37
  Top w0.25: v1(78.5,45.5) v1(78.5,48) ; v1(66,12.25) 66.25,12 J302.8 ; v1(62.1,12.5) 62.1,39.15 61.36,39.89 61.36,41.9
  Bottom w0.25: v1(78.5,45.5) 91.7,45.5 J604.37 ; v1(64.81,47.53) 64.93,47.65 72.83,47.65 73.74,48.55 74.48,48.55 74.61,48.42 78.08,48.42 v1(78.5,48) ; v1(62.1,12.5) 62.35,12.25 v1(66,12.25)
/F429Discovery connection/PE8: length 65.5
  Top w0.2: J602.40 95,41.74 93.71,43.03 91.66,43.03 J604.40
  Top w0.25: v1(66.95,9.25) 66.75,9.05 J302.9 ; v1(84,9) 84.01,9.01 R101.1 v1(84.01,42.4)
  Bottom w0.25: J604.40 84.67,41.74 v1(84.01,42.4) ; v1(84,9) 83.75,9.25 v1(66.95,9.25)
/F429Discovery connection/PE15: length 6.1
  Top w0.2: J602.45 96.73,32.85 94.19,32.85 J604.45
/F429Discovery connection/PF0: length 6.1
  Top w0.2: J603.7 40.86,81.1 43.38,81.1 J601.7
/F429Discovery connection/PF1: length 6.1
  Top w0.2: J601.8 41.66,82.38 40.39,83.65 38.31,83.65 J603.8
/F429Discovery connection/PF10: length 6.1
  Top w0.2: J602.7 96.72,81.1 94.2,81.1 J604.7
/F429Discovery connection/PF11: length 6
  Top w0.2: J602.32 94.38,52.97 93.44,52.97 93.44,52.98 92.4,52.98 92.4,52.97 91.46,52.97 J604.32
/F429Discovery connection/PF12: length 6.1
  Top w0.2: J602.31 96.72,50.62 94.19,50.62 J604.31
/F429Discovery connection/PF13: length 6.1
  Top w0.2: J604.34 91.65,50.62 93.73,50.62 95,49.36 J602.34
/F429Discovery connection/PF14: length 6.1
  Top w0.2: J604.33 94.21,48.08 96.72,48.08 J602.33
/F429Discovery connection/PF15: length 6.1
  Top w0.2: J602.36 95,46.82 93.72,48.1 91.66,48.1 J604.36
/F429Discovery connection/PG0: length 6.1
  Top w0.2: J604.35 94.19,45.55 96.73,45.55 J602.35
/F429Discovery connection/PG1: length 6.1
  Top w0.2: J602.38 95,44.28 93.73,45.55 91.65,45.55 J604.38
/F429Discovery connection/PG2: length 6.1
  Top w0.2: J604.62 91.66,15.07 93.72,15.07 95,13.8 J602.62
/F429Discovery connection/PG3: length 6.1
  Top w0.2: J604.61 94.19,12.53 96.72,12.53 J602.61
/F429Discovery connection/PG4: length 6.1
  Top w0.2: J603.62 38.29,15.05 40.4,15.05 41.65,13.8 J601.62
/F429Discovery connection/PG5: length 6.1
  Top w0.2: J601.61 43.48,12.62 40.75,12.62 J603.61
/F429Discovery connection/PG6: length 6.1
  Top w0.2: J603.60 38.3,17.6 40.4,17.6 41.66,16.34 J601.60
/F429Discovery connection/PG7: length 6.1
  Top w0.2: J601.59 43.39,15.07 40.84,15.07 J603.59
/F429Discovery connection/PG9: length 6.1
  Top w0.2: J601.33 43.38,48.08 40.86,48.08 J603.33
/F429Discovery connection/PG10: length 6.1
  Top w0.2: J601.34 41.66,49.36 40.39,50.62 38.31,50.62 J603.34
/F429Discovery connection/PG11: length 6.1
  Top w0.2: J603.31 40.86,50.62 43.39,50.62 J601.31
/F429Discovery connection/PG12: length 6.1
  Top w0.2: J603.32 38.31,53.17 40.38,53.17 41.66,51.9 J601.32
/F429Discovery connection/PG13: length 6.1
  Top w0.2: J603.29 40.84,53.17 43.39,53.17 J601.29
/F429Discovery connection/PG14: length 6.1
  Top w0.2: J601.30 41.66,54.44 40.4,55.7 38.3,55.7 J603.30
/F429Discovery connection/PG15: length 6.1
  Top w0.2: J603.27 40.83,55.72 43.41,55.72 J601.27
/F429Discovery connection/PH0: length 6.1
  Top w0.2: J604.10 91.64,81.1 93.74,81.1 95,79.84 J602.10
/F429Discovery connection/PH1: length 6.1
  Top w0.2: J602.9 96.74,78.58 94.19,78.58 J604.9
/MCU / Bluepill/PA3: length 9.3
  Top w0.2: U501.13 61.65,54.96 61.65,56.5 61.32,56.83 61.32,59.98 59.9,61.4 J501.8
/MCU / Bluepill/PA4: length 9
  Top w0.2: U501.14 62.27,52.95 61.75,52.95 61.32,53.38 61.32,56.36 61,56.69 61,58.58 J501.9
/MCU / Bluepill/PA9: length 26.3
  Top w0.2: 56.51,54 R502.1 56.26,53.64 v1(56.4,53.5) ; v1(68.25,54.5) 68.25,53.9 U501.30 73.36,48.79 73.36,46.22 J502.15
  Bottom w0.2: v1(56.4,53.5) 61.5,53.5 62.5,54.5 v1(68.25,54.5)
/MCU / Bluepill/PB10: length 34.8
  Top w0.2: U501.21 64.1,49.83 64.1,45.8 63,44.7 60.16,44.7 J501.15
  Top w0.25: v1(69,41.75) v1(69,44.75) ; R101.2 v1(82.3,41.75)
  Bottom w0.25: v1(69,44.75) 62.75,44.75 v1(62.7,44.7) ; v1(69,41.75) 73.25,41.75 74.2,40.8 81.35,40.8 v1(82.3,41.75)
/MCU / Bluepill/PC15: length 15.8
  Top w0.2: U501.4 62.42,61.85 62.42,69.38 62,69.8 62,70.28 J501.4
/MCU / Bluepill/PwrGood: length 19.2
  Top w0.3: v1(25.75,27) 25.8,27.05 25.8,34.75 Q501.1 ; v1(21.5,27) 21.36,26.86 U504.4
  Bottom w0.3: v1(25.75,27) v1(21.5,27)
/MCU / Bluepill/SWCLK: length 40.3
  Top w0.25: U501.37 72.5,56 72.75,55.75 v1(73.25,55.75) ; J503.3 68.79,81.49 67.94,80.64 67.94,77.31 71.8,73.45 71.8,63.8 v1(71.75,63.75)
  Bottom w0.25: v1(71.75,63.75) 72,63.5 72,57 v1(73.25,55.75)
/MCU / Bluepill/SWDIO: length 42.8
  Top w0.25: v1(70.75,64.5) 70.9,64.65 70.9,72.32 66.2,77.02 66.2,92.45 J503.2 ; v1(70,54) 70.05,53.95 71.03,53.95 U501.34
  Bottom w0.25: v1(70.75,64.5) 70,63.75 v1(70,54)
/MCU / Bluepill/~{WEn}: length 3.5
  Top w0.3: Q501.3 23.49,36.01 R512.1 21.88,36.14 U503.7
AUX_BOOT0: length 137.3
  Top w0.2: U501.2 63.09,62.59 63.09,69.71 62.68,70.12 v1(62.68,74.68) J501.2 ; J603.6 38.32,86.2 40.38,86.2 41.66,84.92 J601.6 42.17,84.92
  Top w0.25: v1(48,86) v1(48,78) ; J302.1 62.75,9.25 v1(62.5,9.5) ; v1(54.5,77.75) 54.6,77.65 54.6,71.65 54.85,71.4 54.85,70.55 54.6,70.3 54.6,10.85 54.5,10.75 54.5,9.75 v1(54.75,9.5) ; v1(66.75,74.5) 66.74,74.49 R505.1
  Bottom w0.2: v1(48,86) 43.2,86 J601.6 ; 54.25,78 v1(54.5,77.75)
  Bottom w0.25: v1(62.68,74.68) 62.86,74.5 v1(66.75,74.5) ; v1(54.5,77.75) 59.61,77.75 J501.2 ; v1(62.5,9.5) v1(54.75,9.5) ; v1(48,78) 54.25,78
DBGUART_RX: length 91.8
  Top w0.2: J601.39 43.37,40.45 40.87,40.45 J603.39 ; J502.14 75.14,47.71 U501.31
  Top w0.25: v1(49.7,41.9) v1(49.7,45.6) 49.7,83.48 50.22,84 R507.2 49.25,85.24 J504.2
  Bottom w0.25: J502.14 74.61,46.45 62.39,46.45 61.74,45.8 49.9,45.8 v1(49.7,45.6) ; J601.39 49.54,41.74 v1(49.7,41.9)
  vias: v1(58.25,45.75)
DBGUART_TX: length 76.5
  Top w0.2: J601.43 43.4,35.4 40.84,35.4 J603.43
  Top w0.25: J504.3 56.85,94.14 R506.2 55.24,91.25 R502.2 55.24,37.51 v1(55.25,37.5)
  Bottom w0.25: v1(55.25,37.5) 45.5,37.5 J601.43
DISP_D~{Cn}: length 122.5
  Top w0.2: J603.4 38.13,88.55 41.03,88.55 J601.4 ; J501.12 60.11,51.85 63.29,51.85 U501.17
  Top w0.25: J603.4 35.7,86.12 35.7,66.6 36.4,65.9 37.7,65.9 38.3,65.3 38.3,64 37.7,63.4 36.41,63.4 35.15,62.13 v1(35.15,50.9) 35.3,50.75 35.3,8.7 v1(35.1,8.5) ; v1(36.75,8.5) J301.1
  Bottom w0.25: v1(36.75,8.5) v1(35.1,8.5) ; J501.12 58.44,50.6 35.45,50.6 v1(35.15,50.9)
DISP_FLASH_MISO: length 59
  Top w0.2: J502.9 73.94,59.68 71.33,57.07 U501.40 ; J604.5 94.19,83.65 96.73,83.65 J602.5
  Top w0.25: U502.2 78.76,54.64 77.75,55.65 77.75,59.25 77.32,59.68 ; v1(80.25,83.5) 80.25,74.78 v1(80.22,74.75) ; 77.32,59.68 J502.9 ; 77.32,59.68 77.75,60.11 v1(77.75,74.75)
  Bottom w0.25: v1(80.25,83.5) 80.35,83.6 90.7,83.6 92.02,84.92 J604.5 ; v1(77.75,74.75) v1(80.22,74.75)
DISP_FLASH_MOSI: length 159
  Top w0.2: J502.8 75.14,61.58 U501.41 ; U502.5 84.66,52.09 83.75,53 v1(83.75,62) ; J604.8 91.65,83.65 93.73,83.65 95,82.38 J602.8
  Top w0.25: v1(83.8,82.7) 83.7,82.6 83.7,62.05 v1(83.75,62) ; J301.5 38.75,5.25 v1(39.7,4.3) ; v1(86.7,5.5) 86.7,6.9 85.8,7.8 85.8,35.6 86.35,36.15 U502.5
  Bottom w0.2: v1(83.75,62) 83.53,62.22 J502.8
  Bottom w0.25: v1(39.7,4.3) 40,4.6 76.58,4.6 76.74,4.45 85.65,4.45 v1(86.7,5.5) ; J604.8 89.96,82.8 83.9,82.8 v1(83.8,82.7)
DISP_FLASH_SCK: length 161.3
  Top w0.2: U501.39 72.96,57.99 74.29,57.99 J502.10 ; J602.6 95,84.92 93.72,86.2 91.66,86.2 J604.6 ; U502.6 86.03,53.36 84.9,54.5 84.9,56.65 v1(85,56.75)
  Top w0.25: v1(85,56.75) 85,84.05 v1(85.25,84.3) ; v1(87.8,4.4) 87.8,7 87.35,7.45 87.35,50.95 87.9,51.5 87.9,52.9 87.44,53.36 U502.6 ; v1(38.8,4.25) 38.25,4.8 J301.4
  Bottom w0.2: J502.10 84.61,57.14 v1(85,56.75)
  Bottom w0.25: v1(87.8,4.4) 86.6,4.4 85.65,3.45 39.6,3.45 v1(38.8,4.25) ; v1(85.25,84.3) 85.87,84.92 J604.6
FAN1_PWM: length 136.4
  Top w0.2: J601.11 43.39,76.03 40.86,76.03 J603.11 ; U501.19 59.9,47.05 J501.14
  Top w0.25: v1(52.25,76.75) 52.25,65.5 52.5,65.25 v1(52.5,47.25) v1(52.5,33.25) ; v1(14.8,18) 15.3,18.5 15.3,32.05 v1(15.5,32.25) ; v1(7.5,18.5) 6.05,18.5 Q401.1
  Top w0.3: R403.2 4.56,17.99 Q401.1
  Bottom w0.25: v1(14.8,18) 14.7,17.9 9.6,17.9 9,18.5 v1(7.5,18.5) ; v1(52.5,33.25) 52.2,32.95 16.2,32.95 v1(15.5,32.25) ; J601.11 51.7,77.3 v1(52.25,76.75) ; v1(52.5,47.25) 53.15,46.6 59.52,46.6 J501.14
